# KiCad board sbc.kicad_pcb (continued)
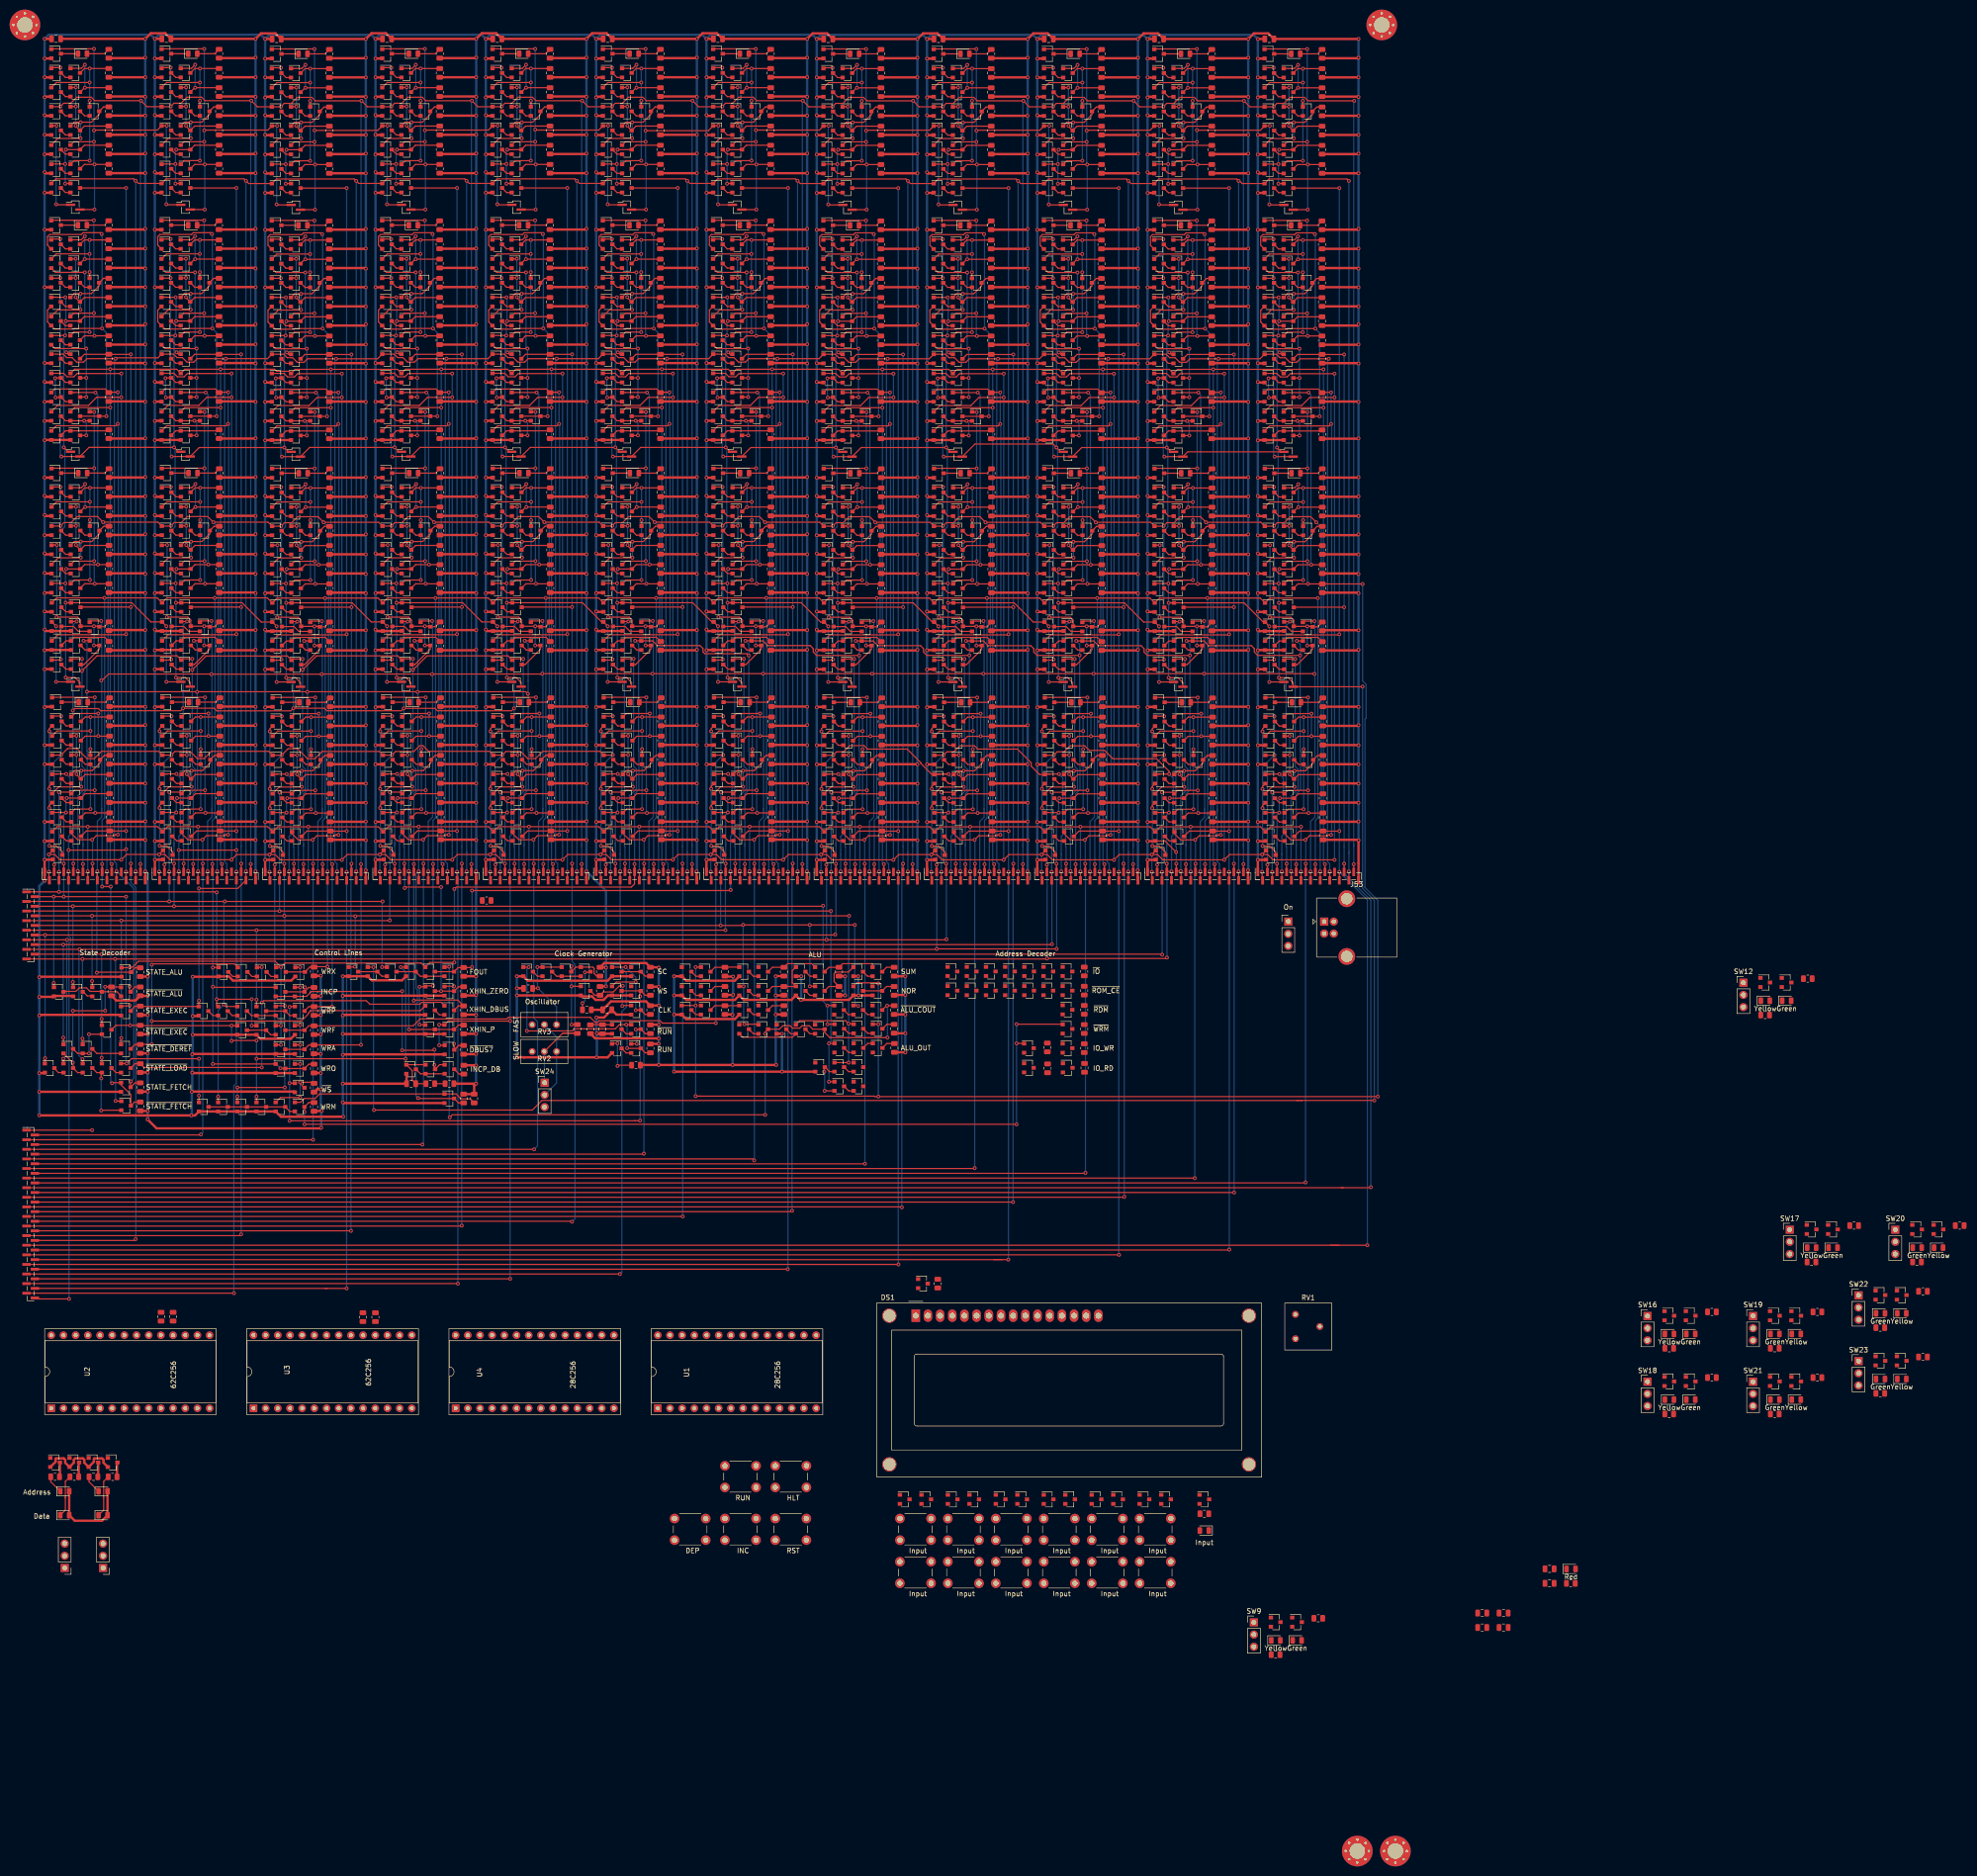
[diagram p0: board, top side]
## Routing (per net, layer and track width the routed paths; a pad name or vN(x,y) marks a point on that pad's centre or on a via; arc(x,y) is an arc through that point) (continued)
Net-(Q841-Pad2): length 2.4
  Top w0.25: Q841.2 192.48,334.12 Q843.3
Net-(Q842-Pad1): length 20.1
  Top w0.25: R352.2 200.44,327.98 Q844.3 199.53,326.42 197.91,324.79 195.66,324.79 ; v1(195.63,321.43) 195.59,321.39 190.9,321.39 Q842.1 ; 195.66,324.79 v1(195.63,324.77) ; 195.66,324.79 194.31,324.79 Q847.1
  Bottom w0.25: v1(195.63,324.77) v1(195.63,321.43)
Net-(Q844-Pad2): length 2.4
  Top w0.25: Q844.2 196.48,326.12 Q845.3
Net-(Q845-Pad2): length 2.4
  Top w0.25: Q845.2 192.48,326.12 Q846.3
Net-(Q847-Pad2): length 2.4
  Top w0.25: Q848.3 192.48,322.12 Q847.2
Net-(Q851-Pad1): length 39.6
  Top w0.25: R358.2 v1(197.72,236.49) 196.62,236.49 Q857.3 ; v1(197.71,233.58) 190.76,233.58 Q854.1 ; Q851.1 194.46,217.28 v1(197.71,217.28) ; v1(197.71,229.78) Q860.1
  Bottom w0.25: v1(197.71,217.28) v1(197.71,229.78) v1(197.71,233.58) 197.71,236.48 v1(197.72,236.49)
Net-(Q851-Pad2): length 2.4
  Top w0.25: Q853.3 192.66,214.63 Q851.2
Net-(Q852-Pad1): length 18
  Top w0.25: Q861.1 193.76,228.58 v1(194.81,228.58) ; v1(194.81,232.58) 194.76,232.53 Q852.1 ; v1(194.81,224.58) 194.81,224.48 Q863.3 196.62,224.49 R360.2
  Bottom w0.25: v1(194.81,224.58) v1(194.81,228.58) v1(194.81,232.58)
Net-(Q852-Pad2): length 2.4
  Top w0.25: Q854.3 192.66,230.63 Q852.2
Net-(Q852-Pad3): length 17.1
  Top w0.25: Q857.1 194.4,237.22 v1(199.34,237.22) ; 199.28,232.49 196.62,232.49 Q852.3 ; 199.28,232.49 199.31,232.52 v1(199.34,232.52) 199.32,232.51 199.32,232.49 ; 199.28,232.49 199.32,232.49 ; R355.2 199.32,232.49
  Bottom w0.25: v1(199.34,232.52) v1(199.34,237.22)
Net-(Q856-Pad2): length 2.4
  Top w0.25: Q856.2 192.66,218.63 Q858.3
Net-(Q857-Pad2): length 2.4
  Top w0.25: Q857.2 192.66,234.63 Q859.3
Net-(Q858-Pad1): length 20.1
  Top w0.25: v1(195.81,221.94) 195.77,221.9 191.09,221.9 Q858.1 ; 195.84,225.31 v1(195.81,225.28) ; 195.84,225.31 194.49,225.31 Q863.1 ; 195.84,225.31 198.09,225.31 199.71,226.93 Q860.3 200.62,228.49 R359.2
  Bottom w0.25: v1(195.81,225.28) v1(195.81,221.94)
Net-(Q860-Pad2): length 2.4
  Top w0.25: Q860.2 196.66,226.63 Q861.3
Net-(Q861-Pad2): length 2.4
  Top w0.25: Q861.2 192.66,226.63 Q862.3
Net-(Q863-Pad2): length 2.4
  Top w0.25: Q864.3 192.66,222.63 Q863.2
Net-(Q865-Pad2): length 2.4
  Top w0.25: Q865.2 215.7,210.67 Q866.3
Net-(Q867-Pad2): length 2.4
  Top w0.25: Q867.2 215.5,345.87 Q868.3
Net-(Q869-Pad1): length 39.6
  Top w0.25: v1(220.55,365.02) Q878.1 ; Q869.1 217.3,352.52 v1(220.55,352.52) ; Q875.3 219.46,371.73 v1(220.56,371.73) R367.2 ; Q872.1 213.6,368.82 v1(220.55,368.82)
  Bottom w0.25: v1(220.55,352.52) v1(220.55,365.02) v1(220.55,368.82) 220.55,371.72 v1(220.56,371.73)
Net-(Q869-Pad2): length 2.4
  Top w0.25: Q869.2 215.5,349.87 Q871.3
Net-(Q870-Pad1): length 18
  Top w0.25: v1(217.65,367.82) 217.6,367.77 Q870.1 ; R369.2 219.46,359.73 Q881.3 217.65,359.72 v1(217.65,359.82) ; v1(217.65,363.82) 216.6,363.82 Q879.1
  Bottom w0.25: v1(217.65,367.82) v1(217.65,363.82) v1(217.65,359.82)
Net-(Q870-Pad2): length 2.4
  Top w0.25: Q872.3 215.5,365.87 Q870.2
Net-(Q870-Pad3): length 14.5
  Top w0.25: v1(219.55,372.52) 218.8,371.77 Q875.1 ; R364.2 v1(219.56,367.73) 219.46,367.73 Q870.3
  Bottom w0.25: v1(219.55,372.52) 219.55,367.75 v1(219.56,367.73)
Net-(Q874-Pad2): length 2.4
  Top w0.25: Q874.2 215.5,353.87 Q876.3
Net-(Q875-Pad2): length 2.4
  Top w0.25: Q877.3 215.5,369.87 Q875.2
Net-(Q876-Pad1): length 20.1
  Top w0.25: v1(218.65,357.18) 218.61,357.14 213.92,357.14 Q876.1 ; 218.68,360.55 v1(218.65,360.52) ; 218.68,360.55 220.93,360.55 222.55,362.17 Q878.3 223.46,363.73 R368.2 ; 218.68,360.55 217.33,360.55 Q881.1
  Bottom w0.25: v1(218.65,360.52) v1(218.65,357.18)
Net-(Q878-Pad2): length 2.4
  Top w0.25: Q878.2 219.5,361.87 Q879.3
Net-(Q879-Pad2): length 2.4
  Top w0.25: Q880.3 215.5,361.87 Q879.2
Net-(Q881-Pad2): length 2.4
  Top w0.25: Q881.2 215.5,357.87 Q882.3
Net-(Q883-Pad2): length 2.3
  Top w0.25: Q888.3 219.6,250.47 Q883.2
Net-(Q884-Pad2): length 2.4
  Top w0.25: Q884.2 215.6,258.42 Q889.3
Net-(Q885-Pad2): length 2.4
  Top w0.25: Q885.2 215.6,246.47 Q890.3
Net-(Q886-Pad2): length 6.3
  Top w0.25: Q886.2 218.19,254.37 217.19,255.37 Q891.3
Net-(Q888-Pad1): length 11
  Top w0.25: R371.2 223.71,253.12 217.4,253.12 Q888.1 215.6,252.37 Q892.3
Net-(Q893-Pad1): length 39.6
  Top w0.25: v1(220.6,277.56) Q902.1 ; Q893.1 217.35,265.06 v1(220.6,265.06) ; Q899.3 219.51,284.27 v1(220.61,284.27) R376.2 ; v1(220.6,281.36) 213.65,281.36 Q896.1
  Bottom w0.25: v1(220.61,284.27) 220.6,284.26 v1(220.6,281.36) v1(220.6,277.56) v1(220.6,265.06)
Net-(Q893-Pad2): length 2.4
  Top w0.25: Q895.3 215.55,262.41 Q893.2
Net-(Q894-Pad1): length 18
  Top w0.25: v1(217.7,272.36) 217.7,272.26 Q905.3 219.51,272.27 R378.2 ; v1(217.7,276.36) 216.65,276.36 Q903.1 ; v1(217.7,280.36) 217.65,280.31 Q894.1
  Bottom w0.25: v1(217.7,280.36) v1(217.7,276.36) v1(217.7,272.36)
Net-(Q894-Pad2): length 2.4
  Top w0.25: Q894.2 215.55,278.41 Q896.3
Net-(Q894-Pad3): length 14.5
  Top w0.25: Q899.1 218.85,284.31 v1(219.6,285.06) ; R373.2 v1(219.61,280.27) 219.51,280.27 Q894.3
  Bottom w0.25: v1(219.6,285.06) 219.6,280.29 v1(219.61,280.27)
Net-(Q898-Pad2): length 2.4
  Top w0.25: Q898.2 215.55,266.41 Q900.3
Net-(Q899-Pad2): length 2.4
  Top w0.25: Q901.3 215.55,282.41 Q899.2
Net-(Q900-Pad1): length 20.1
  Top w0.25: 218.73,273.09 220.98,273.09 222.6,274.71 Q902.3 223.51,276.27 R377.2 ; 218.73,273.09 217.38,273.09 Q905.1 ; 218.73,273.09 v1(218.7,273.06) ; Q900.1 213.97,269.68 218.66,269.68 v1(218.7,269.72)
  Bottom w0.25: v1(218.7,273.06) v1(218.7,269.72)
Net-(Q902-Pad2): length 2.4
  Top w0.25: Q902.2 219.55,274.41 Q903.3
Net-(Q903-Pad2): length 2.4
  Top w0.25: Q903.2 215.55,274.41 Q904.3
Net-(Q905-Pad2): length 2.4
  Top w0.25: Q906.3 215.55,270.41 Q905.2
Net-(Q907-Pad2): length 2.4
  Top w0.25: Q907.2 215.5,310.27 Q908.3
Net-(Q909-Pad2): length 11.2
  Top w0.25: v1(213.45,303.12) 214.45,303.12 Q914.3 215.5,302.27 Q910.2 ; v1(213.37,307.14) 213.44,307.22 Q913.3 215.5,306.27 Q909.2
  Bottom w0.25: v1(213.37,307.14) 213.37,303.2 v1(213.45,303.12)
Net-(Q911-Pad2): length 10.9
  Top w0.25: Q912.2 v1(219.4,298.27) Q911.2 215.5,298.27 Q915.3 ; Q916.3 v1(219.85,295.22)
  Bottom w0.25: v1(219.4,298.27) 219.85,297.82 v1(219.85,295.22)
Net-(Q916-Pad1): length 10.5
  Top w0.25: Q917.3 215.5,296.17 Q916.1 224.34,296.17 R380.2
Net-(Q918-Pad1): length 39.6
  Top w0.25: R385.2 v1(220.54,335.98) 219.44,335.98 Q924.3 ; v1(220.53,333.07) 213.58,333.07 Q921.1 ; v1(220.53,329.27) Q927.1 ; Q918.1 217.28,316.77 v1(220.53,316.77)
  Bottom w0.25: v1(220.54,335.98) 220.53,335.97 v1(220.53,333.07) v1(220.53,329.27) v1(220.53,316.77)
Net-(Q918-Pad2): length 2.4
  Top w0.25: Q920.3 215.48,314.12 Q918.2
Net-(Q919-Pad1): length 18
  Top w0.25: R387.2 219.44,323.98 Q930.3 217.63,323.97 v1(217.63,324.07) ; v1(217.63,328.07) 216.58,328.07 Q928.1 ; Q919.1 217.58,332.02 v1(217.63,332.07)
  Bottom w0.25: v1(217.63,324.07) v1(217.63,328.07) v1(217.63,332.07)
Net-(Q919-Pad2): length 2.4
  Top w0.25: Q921.3 215.48,330.12 Q919.2
Net-(Q919-Pad3): length 14.5
  Top w0.25: R382.2 v1(219.54,331.98) 219.44,331.98 Q919.3 ; v1(219.53,336.77) 218.78,336.02 Q924.1
  Bottom w0.25: v1(219.54,331.98) 219.53,331.99 v1(219.53,336.77)
Net-(Q923-Pad2): length 2.4
  Top w0.25: Q923.2 215.48,318.12 Q925.3
Net-(Q924-Pad2): length 2.4
  Top w0.25: Q924.2 215.48,334.12 Q926.3
Net-(Q925-Pad1): length 20.1
  Top w0.25: Q925.1 213.9,321.39 218.59,321.39 v1(218.63,321.43) ; 218.66,324.79 220.9,324.79 222.53,326.42 Q927.3 223.44,327.98 R386.2 ; 218.66,324.79 217.31,324.79 Q930.1 ; 218.66,324.79 v1(218.63,324.77)
  Bottom w0.25: v1(218.63,324.77) v1(218.63,321.43)
Net-(Q927-Pad2): length 2.4
  Top w0.25: Q927.2 219.48,326.12 Q928.3
Net-(Q928-Pad2): length 2.4
  Top w0.25: Q929.3 215.48,326.12 Q928.2
Net-(Q930-Pad2): length 2.4
  Top w0.25: Q930.2 215.48,322.12 Q931.3
Net-(Q934-Pad1): length 39.6
  Top w0.25: v1(220.71,233.58) 213.76,233.58 Q937.1 ; v1(220.71,229.78) Q943.1 ; Q940.3 219.62,236.49 v1(220.72,236.49) R392.2 ; Q934.1 217.46,217.28 v1(220.71,217.28)
  Bottom w0.25: v1(220.71,217.28) v1(220.71,229.78) v1(220.71,233.58) 220.71,236.48 v1(220.72,236.49)
Net-(Q934-Pad2): length 2.4
  Top w0.25: Q934.2 215.66,214.63 Q936.3
Net-(Q935-Pad1): length 18
  Top w0.25: v1(217.81,232.58) 217.76,232.53 Q935.1 ; v1(217.81,228.58) 216.76,228.58 Q944.1 ; R394.2 219.62,224.49 Q946.3 217.81,224.48 v1(217.81,224.58)
  Bottom w0.25: v1(217.81,224.58) v1(217.81,228.58) v1(217.81,232.58)
Net-(Q935-Pad2): length 2.4
  Top w0.25: Q935.2 215.66,230.63 Q937.3
Net-(Q935-Pad3): length 17.1
  Top w0.25: R389.2 222.32,232.49 ; 222.32,232.49 222.32,232.51 v1(222.34,232.52) 222.31,232.52 222.28,232.49 ; 222.32,232.49 222.28,232.49 ; Q940.1 217.4,237.22 v1(222.34,237.22) ; Q935.3 219.62,232.49 222.28,232.49
  Bottom w0.25: v1(222.34,232.52) v1(222.34,237.22)
Net-(Q939-Pad2): length 2.4
  Top w0.25: Q939.2 215.66,218.63 Q941.3
Net-(Q940-Pad2): length 2.4
  Top w0.25: Q942.3 215.66,234.63 Q940.2
Net-(Q941-Pad1): length 20.1
  Top w0.25: v1(218.81,221.94) 218.77,221.9 214.09,221.9 Q941.1 ; R393.2 223.62,228.49 Q943.3 222.71,226.93 221.09,225.31 218.84,225.31 ; 218.84,225.31 217.49,225.31 Q946.1 ; 218.84,225.31 v1(218.81,225.28)
  Bottom w0.25: v1(218.81,225.28) v1(218.81,221.94)
Net-(Q943-Pad2): length 2.4
  Top w0.25: Q943.2 219.66,226.63 Q944.3
Net-(Q944-Pad2): length 2.4
  Top w0.25: Q945.3 215.66,226.63 Q944.2
Net-(Q946-Pad2): length 2.4
  Top w0.25: Q946.2 215.66,222.63 Q947.3
Net-(Q948-Pad2): length 2.4
  Top w0.25: Q948.2 238.7,210.67 Q949.3
Net-(Q950-Pad2): length 2.4
  Top w0.25: Q951.3 238.5,345.87 Q950.2
Net-(Q952-Pad1): length 39.6
  Top w0.25: v1(243.55,368.82) 236.6,368.82 Q955.1 ; Q952.1 240.3,352.52 v1(243.55,352.52) ; Q958.3 242.46,371.73 v1(243.56,371.73) R401.2 ; v1(243.55,365.02) Q961.1
  Bottom w0.25: v1(243.55,352.52) v1(243.55,365.02) v1(243.55,368.82) 243.55,371.72 v1(243.56,371.73)
Net-(Q952-Pad2): length 2.4
  Top w0.25: Q954.3 238.5,349.87 Q952.2
Net-(Q953-Pad1): length 18
  Top w0.25: Q953.1 240.6,367.77 v1(240.65,367.82) ; Q962.1 239.6,363.82 v1(240.65,363.82) ; R403.2 242.46,359.73 Q964.3 240.65,359.72 v1(240.65,359.82)
  Bottom w0.25: v1(240.65,367.82) v1(240.65,363.82) v1(240.65,359.82)
Net-(Q953-Pad2): length 2.4
  Top w0.25: Q953.2 238.5,365.87 Q955.3
Net-(Q953-Pad3): length 14.5
  Top w0.25: Q958.1 241.8,371.77 v1(242.55,372.52) ; Q953.3 242.46,367.73 v1(242.56,367.73) R398.2
  Bottom w0.25: v1(242.55,372.52) 242.55,367.75 v1(242.56,367.73)
Net-(Q957-Pad2): length 2.4
  Top w0.25: Q959.3 238.5,353.87 Q957.2
Net-(Q958-Pad2): length 2.4
  Top w0.25: Q958.2 238.5,369.87 Q960.3
Net-(Q959-Pad1): length 20.1
  Top w0.25: v1(241.65,357.18) 241.61,357.14 236.92,357.14 Q959.1 ; R402.2 246.46,363.73 Q961.3 245.55,362.17 243.93,360.55 241.68,360.55 ; 241.68,360.55 v1(241.65,360.52) ; 241.68,360.55 240.33,360.55 Q964.1
  Bottom w0.25: v1(241.65,360.52) v1(241.65,357.18)
Net-(Q961-Pad2): length 2.4
  Top w0.25: Q961.2 242.5,361.87 Q962.3
Net-(Q962-Pad2): length 2.4
  Top w0.25: Q962.2 238.5,361.87 Q963.3
Net-(Q964-Pad2): length 2.4
  Top w0.25: Q965.3 238.5,357.87 Q964.2
Net-(Q966-Pad2): length 2.3
  Top w0.25: Q966.2 242.6,250.47 Q971.3
Net-(Q967-Pad2): length 2.4
  Top w0.25: Q967.2 238.6,258.42 Q972.3
Net-(Q968-Pad2): length 2.4
  Top w0.25: Q968.2 238.6,246.47 Q973.3
Net-(Q969-Pad2): length 6.3
  Top w0.25: Q974.3 240.19,255.37 241.19,254.37 Q969.2
Net-(Q971-Pad1): length 11
  Top w0.25: Q975.3 238.6,252.37 Q971.1 240.4,253.12 246.71,253.12 R405.2
Net-(Q976-Pad1): length 39.6
  Top w0.25: Q982.3 242.51,284.27 v1(243.61,284.27) R410.2 ; v1(243.6,277.56) Q985.1 ; Q976.1 240.35,265.06 v1(243.6,265.06) ; Q979.1 236.65,281.36 v1(243.6,281.36)
  Bottom w0.25: v1(243.61,284.27) 243.6,284.26 v1(243.6,281.36) v1(243.6,277.56) v1(243.6,265.06)
Net-(Q976-Pad2): length 2.4
  Top w0.25: Q976.2 238.55,262.41 Q978.3
Net-(Q977-Pad1): length 18
  Top w0.25: Q986.1 239.65,276.36 v1(240.7,276.36) ; v1(240.7,272.36) 240.7,272.26 Q988.3 242.51,272.27 R412.2 ; Q977.1 240.65,280.31 v1(240.7,280.36)
  Bottom w0.25: v1(240.7,280.36) v1(240.7,276.36) v1(240.7,272.36)
Net-(Q977-Pad2): length 2.4
  Top w0.25: Q977.2 238.55,278.41 Q979.3
Net-(Q977-Pad3): length 14.5
  Top w0.25: v1(242.6,285.06) 241.85,284.31 Q982.1 ; Q977.3 242.51,280.27 v1(242.61,280.27) R407.2
  Bottom w0.25: v1(242.6,285.06) 242.6,280.29 v1(242.61,280.27)
Net-(Q981-Pad2): length 2.4
  Top w0.25: Q981.2 238.55,266.41 Q983.3
Net-(Q982-Pad2): length 2.4
  Top w0.25: Q984.3 238.55,282.41 Q982.2
Net-(Q983-Pad1): length 20.1
  Top w0.25: Q983.1 236.97,269.68 241.66,269.68 v1(241.7,269.72) ; 241.73,273.09 240.38,273.09 Q988.1 ; 241.73,273.09 v1(241.7,273.06) ; 241.73,273.09 243.98,273.09 245.6,274.71 Q985.3 246.51,276.27 R411.2
  Bottom w0.25: v1(241.7,273.06) v1(241.7,269.72)
Net-(Q985-Pad2): length 2.4
  Top w0.25: Q986.3 242.55,274.41 Q985.2
Net-(Q986-Pad2): length 2.4
  Top w0.25: Q987.3 238.55,274.41 Q986.2
Net-(Q988-Pad2): length 2.4
  Top w0.25: Q988.2 238.55,270.41 Q989.3
Net-(Q990-Pad2): length 2.4
  Top w0.25: Q991.3 238.5,310.27 Q990.2
Net-(Q992-Pad2): length 11.2
  Top w0.25: v1(236.45,303.12) 237.45,303.12 Q997.3 238.5,302.27 Q993.2 ; v1(236.37,307.14) 236.44,307.22 Q996.3 238.5,306.27 Q992.2
  Bottom w0.25: v1(236.37,307.14) 236.37,303.2 v1(236.45,303.12)
Net-(Q994-Pad2): length 10.9
  Top w0.25: Q995.2 v1(242.4,298.27) Q994.2 238.5,298.27 Q998.3 ; Q999.3 v1(242.85,295.22)
  Bottom w0.25: v1(242.4,298.27) 242.85,297.82 v1(242.85,295.22)
Net-(Q1000-Pad3): length 10.5
  Top w0.25: R414.2 247.34,296.17 Q999.1 238.5,296.17 Q1000.3
Net-(Q1001-Pad1): length 39.6
  Top w0.25: Q1004.1 236.58,333.07 v1(243.53,333.07) ; Q1001.1 240.28,316.77 v1(243.53,316.77) ; v1(243.53,329.27) Q1010.1 ; Q1007.3 242.44,335.98 v1(243.54,335.98) R419.2
  Bottom w0.25: v1(243.53,316.77) v1(243.53,329.27) v1(243.53,333.07) 243.53,335.97 v1(243.54,335.98)
Net-(Q1001-Pad2): length 2.4
  Top w0.25: Q1001.2 238.48,314.12 Q1003.3
Net-(Q1002-Pad1): length 18
  Top w0.25: v1(240.63,324.07) 240.63,323.97 Q1013.3 242.44,323.98 R421.2 ; Q1002.1 240.58,332.02 v1(240.63,332.07) ; v1(240.63,328.07) 239.58,328.07 Q1011.1
  Bottom w0.25: v1(240.63,324.07) v1(240.63,328.07) v1(240.63,332.07)
Net-(Q1002-Pad2): length 2.4
  Top w0.25: Q1004.3 238.48,330.12 Q1002.2
Net-(Q1002-Pad3): length 14.5
  Top w0.25: Q1002.3 242.44,331.98 v1(242.54,331.98) R416.2 ; v1(242.53,336.77) 241.78,336.02 Q1007.1
  Bottom w0.25: v1(242.53,336.77) 242.53,331.99 v1(242.54,331.98)
Net-(Q1006-Pad2): length 2.4
  Top w0.25: Q1008.3 238.48,318.12 Q1006.2
Net-(Q1007-Pad2): length 2.4
  Top w0.25: Q1007.2 238.48,334.12 Q1009.3
Net-(Q1008-Pad1): length 20.1
  Top w0.25: 241.66,324.79 240.31,324.79 Q1013.1 ; 241.66,324.79 v1(241.63,324.77) ; 241.66,324.79 243.9,324.79 245.53,326.42 Q1010.3 246.44,327.98 R420.2 ; v1(241.63,321.43) 241.59,321.39 236.9,321.39 Q1008.1
  Bottom w0.25: v1(241.63,324.77) v1(241.63,321.43)
Net-(Q1010-Pad2): length 2.4
  Top w0.25: Q1010.2 242.48,326.12 Q1011.3
Net-(Q1011-Pad2): length 2.4
  Top w0.25: Q1012.3 238.48,326.12 Q1011.2
Net-(Q1013-Pad2): length 2.4
  Top w0.25: Q1014.3 238.48,322.12 Q1013.2
Net-(Q1017-Pad1): length 39.6
  Top w0.25: R426.2 v1(243.72,236.49) 242.62,236.49 Q1023.3 ; v1(243.71,229.78) Q1026.1 ; Q1017.1 240.46,217.28 v1(243.71,217.28) ; v1(243.71,233.58) 236.76,233.58 Q1020.1
  Bottom w0.25: v1(243.71,217.28) v1(243.71,229.78) v1(243.71,233.58) 243.71,236.48 v1(243.72,236.49)
Net-(Q1017-Pad2): length 2.4
  Top w0.25: Q1017.2 238.66,214.63 Q1019.3
Net-(Q1018-Pad1): length 18
  Top w0.25: v1(240.81,224.58) 240.81,224.48 Q1029.3 242.62,224.49 R428.2 ; v1(240.81,228.58) 239.76,228.58 Q1027.1 ; v1(240.81,232.58) 240.76,232.53 Q1018.1
  Bottom w0.25: v1(240.81,224.58) v1(240.81,228.58) v1(240.81,232.58)
Net-(Q1018-Pad2): length 2.4
  Top w0.25: Q1020.3 238.66,230.63 Q1018.2
Net-(Q1018-Pad3): length 17.1
  Top w0.25: R423.2 245.32,232.49 ; 245.32,232.49 245.32,232.51 v1(245.34,232.52) 245.31,232.52 245.28,232.49 ; 245.32,232.49 245.28,232.49 ; v1(245.34,237.22) 240.4,237.22 Q1023.1 ; 245.28,232.49 242.62,232.49 Q1018.3
  Bottom w0.25: v1(245.34,232.52) v1(245.34,237.22)
Net-(Q1022-Pad2): length 2.4
  Top w0.25: Q1022.2 238.66,218.63 Q1024.3
Net-(Q1023-Pad2): length 2.4
  Top w0.25: Q1025.3 238.66,234.63 Q1023.2
Net-(Q1024-Pad1): length 20.1
  Top w0.25: 241.84,225.31 244.09,225.31 245.71,226.93 Q1026.3 246.62,228.49 R427.2 ; 241.84,225.31 240.49,225.31 Q1029.1 ; 241.84,225.31 v1(241.81,225.28) ; v1(241.81,221.94) 241.77,221.9 237.08,221.9 Q1024.1
  Bottom w0.25: v1(241.81,225.28) v1(241.81,221.94)
Net-(Q1026-Pad2): length 2.4
  Top w0.25: Q1026.2 242.66,226.63 Q1027.3
Net-(Q1027-Pad2): length 2.4
  Top w0.25: Q1027.2 238.66,226.63 Q1028.3
Net-(Q1029-Pad2): length 2.4
  Top w0.25: Q1030.3 238.66,222.63 Q1029.2
Net-(Q1031-Pad2): length 2.4
  Top w0.25: Q1031.2 261.7,210.67 Q1032.3
Net-(Q1033-Pad2): length 2.4
  Top w0.25: Q1034.3 261.5,345.87 Q1033.2
Net-(Q1035-Pad1): length 39.6
  Top w0.25: Q1035.1 263.3,352.52 v1(266.55,352.52) ; v1(266.55,365.02) Q1044.1 ; R435.2 v1(266.56,371.73) 265.46,371.73 Q1041.3 ; v1(266.55,368.82) 259.6,368.82 Q1038.1
  Bottom w0.25: v1(266.55,352.52) v1(266.55,365.02) v1(266.55,368.82) 266.55,371.72 v1(266.56,371.73)
Net-(Q1035-Pad2): length 2.4
  Top w0.25: Q1035.2 261.5,349.87 Q1037.3
Net-(Q1036-Pad1): length 18
  Top w0.25: v1(263.65,367.82) 263.6,367.77 Q1036.1 ; R437.2 265.46,359.73 Q1047.3 263.65,359.72 v1(263.65,359.82) ; v1(263.65,363.82) 262.6,363.82 Q1045.1
  Bottom w0.25: v1(263.65,367.82) v1(263.65,363.82) v1(263.65,359.82)
Net-(Q1036-Pad2): length 2.4
  Top w0.25: Q1036.2 261.5,365.87 Q1038.3
Net-(Q1036-Pad3): length 14.5
  Top w0.25: Q1041.1 264.8,371.77 v1(265.55,372.52) ; R432.2 v1(265.56,367.73) 265.46,367.73 Q1036.3
  Bottom w0.25: v1(265.55,372.52) 265.55,367.75 v1(265.56,367.73)
Net-(Q1040-Pad2): length 2.4
  Top w0.25: Q1040.2 261.5,353.87 Q1042.3
Net-(Q1041-Pad2): length 2.4
  Top w0.25: Q1041.2 261.5,369.87 Q1043.3
Net-(Q1042-Pad1): length 20.1
  Top w0.25: Q1042.1 259.92,357.14 264.61,357.14 v1(264.65,357.18) ; 264.68,360.55 v1(264.65,360.52) ; 264.68,360.55 266.93,360.55 268.55,362.17 Q1044.3 269.46,363.73 R436.2 ; 264.68,360.55 263.33,360.55 Q1047.1
  Bottom w0.25: v1(264.65,360.52) v1(264.65,357.18)
Net-(Q1044-Pad2): length 2.4
  Top w0.25: Q1044.2 265.5,361.87 Q1045.3
Net-(Q1045-Pad2): length 2.4
  Top w0.25: Q1045.2 261.5,361.87 Q1046.3
Net-(Q1047-Pad2): length 2.4
  Top w0.25: Q1048.3 261.5,357.87 Q1047.2
Net-(Q1049-Pad2): length 2.3
  Top w0.25: Q1049.2 265.6,250.47 Q1054.3
Net-(Q1050-Pad2): length 2.4
  Top w0.25: Q1055.3 261.6,258.42 Q1050.2
Net-(Q1051-Pad2): length 2.4
  Top w0.25: Q1051.2 261.6,246.47 Q1056.3
Net-(Q1052-Pad2): length 6.3
  Top w0.25: Q1057.3 263.19,255.37 264.19,254.37 Q1052.2
Net-(Q1054-Pad1): length 11
  Top w0.25: R439.2 269.71,253.12 263.4,253.12 Q1054.1 261.6,252.37 Q1058.3
Net-(Q1059-Pad1): length 39.6
  Top w0.25: R444.2 v1(266.61,284.27) 265.51,284.27 Q1065.3 ; v1(266.6,277.56) Q1068.1 ; v1(266.6,265.06) 263.35,265.06 Q1059.1 ; Q1062.1 259.65,281.36 v1(266.6,281.36)
  Bottom w0.25: v1(266.61,284.27) 266.6,284.26 v1(266.6,281.36) v1(266.6,277.56) v1(266.6,265.06)
Net-(Q1059-Pad2): length 2.4
  Top w0.25: Q1059.2 261.55,262.41 Q1061.3
Net-(Q1060-Pad1): length 18
  Top w0.25: Q1060.1 263.65,280.31 v1(263.7,280.36) ; Q1069.1 262.65,276.36 v1(263.7,276.36) ; v1(263.7,272.36) 263.7,272.26 Q1071.3 265.51,272.27 R446.2
  Bottom w0.25: v1(263.7,272.36) v1(263.7,276.36) v1(263.7,280.36)
Net-(Q1060-Pad2): length 2.4
  Top w0.25: Q1060.2 261.55,278.41 Q1062.3
Net-(Q1060-Pad3): length 14.5
  Top w0.25: v1(265.6,285.06) 264.85,284.31 Q1065.1 ; Q1060.3 265.51,280.27 v1(265.61,280.27) R441.2
  Bottom w0.25: v1(265.61,280.27) 265.6,280.29 v1(265.6,285.06)
Net-(Q1064-Pad2): length 2.4
  Top w0.25: Q1066.3 261.55,266.41 Q1064.2
Net-(Q1065-Pad2): length 2.4
  Top w0.25: Q1067.3 261.55,282.41 Q1065.2
Net-(Q1066-Pad1): length 20.1
  Top w0.25: 264.73,273.09 263.38,273.09 Q1071.1 ; 264.73,273.09 v1(264.7,273.06) ; 264.73,273.09 266.98,273.09 268.6,274.71 Q1068.3 269.51,276.27 R445.2 ; v1(264.7,269.72) 264.66,269.68 259.97,269.68 Q1066.1
  Bottom w0.25: v1(264.7,273.06) v1(264.7,269.72)
Net-(Q1068-Pad2): length 2.4
  Top w0.25: Q1068.2 265.55,274.41 Q1069.3
Net-(Q1069-Pad2): length 2.4
  Top w0.25: Q1069.2 261.55,274.41 Q1070.3
Net-(Q1071-Pad2): length 2.4
  Top w0.25: Q1071.2 261.55,270.41 Q1072.3
Net-(Q1073-Pad2): length 2.4
  Top w0.25: Q1073.2 261.5,310.27 Q1074.3
Net-(Q1075-Pad2): length 11.2
  Top w0.25: v1(259.37,307.14) 259.44,307.22 Q1079.3 261.5,306.27 Q1075.2 ; v1(259.45,303.12) 260.45,303.12 Q1080.3 261.5,302.27 Q1076.2
  Bottom w0.25: v1(259.45,303.12) 259.37,303.2 v1(259.37,307.14)
Net-(Q1077-Pad2): length 10.9
  Top w0.25: Q1081.3 261.5,298.27 Q1077.2 v1(265.4,298.27) Q1078.2 ; Q1082.3 v1(265.85,295.22)
  Bottom w0.25: v1(265.4,298.27) 265.85,297.82 v1(265.85,295.22)
Net-(Q1082-Pad1): length 10.5
  Top w0.25: R448.2 270.34,296.17 Q1082.1 261.5,296.17 Q1083.3
Net-(Q1084-Pad1): length 39.6
  Top w0.25: Q1090.3 265.44,335.98 v1(266.54,335.98) R453.2 ; Q1087.1 259.58,333.07 v1(266.53,333.07) ; v1(266.53,329.27) Q1093.1 ; Q1084.1 263.28,316.77 v1(266.53,316.77)
  Bottom w0.25: v1(266.53,316.77) v1(266.53,329.27) v1(266.53,333.07) 266.53,335.97 v1(266.54,335.98)
Net-(Q1084-Pad2): length 2.4
  Top w0.25: Q1084.2 261.48,314.12 Q1086.3
Net-(Q1085-Pad1): length 18
  Top w0.25: Q1094.1 262.58,328.07 v1(263.63,328.07) ; v1(263.63,324.07) 263.63,323.97 Q1096.3 265.44,323.98 R455.2 ; Q1085.1 263.58,332.02 v1(263.63,332.07)
  Bottom w0.25: v1(263.63,324.07) v1(263.63,328.07) v1(263.63,332.07)
Net-(Q1085-Pad2): length 2.4
  Top w0.25: Q1085.2 261.48,330.12 Q1087.3
Net-(Q1085-Pad3): length 14.5
  Top w0.25: Q1085.3 265.44,331.98 v1(265.54,331.98) R450.2 ; v1(265.53,336.77) 264.78,336.02 Q1090.1
  Bottom w0.25: v1(265.53,336.77) 265.53,331.99 v1(265.54,331.98)
Net-(Q1089-Pad2): length 2.4
  Top w0.25: Q1091.3 261.48,318.12 Q1089.2
Net-(Q1090-Pad2): length 2.4
  Top w0.25: Q1090.2 261.48,334.12 Q1092.3
Net-(Q1091-Pad1): length 20.1
  Top w0.25: Q1096.1 263.31,324.79 264.66,324.79 ; 264.66,324.79 266.9,324.79 268.53,326.42 Q1093.3 269.44,327.98 R454.2 ; 264.66,324.79 v1(264.63,324.77) ; Q1091.1 259.9,321.39 264.59,321.39 v1(264.63,321.43)
  Bottom w0.25: v1(264.63,324.77) v1(264.63,321.43)
Net-(Q1093-Pad2): length 2.4
  Top w0.25: Q1093.2 265.48,326.12 Q1094.3
Net-(Q1094-Pad2): length 2.4
  Top w0.25: Q1095.3 261.48,326.12 Q1094.2
Net-(Q1096-Pad2): length 2.4
  Top w0.25: Q1096.2 261.48,322.12 Q1097.3
Net-(Q1100-Pad1): length 39.6
  Top w0.25: R460.2 v1(266.72,236.49) 265.62,236.49 Q1106.3 ; v1(266.71,229.78) Q1109.1 ; Q1103.1 259.76,233.58 v1(266.71,233.58) ; Q1100.1 263.46,217.28 v1(266.71,217.28)
  Bottom w0.25: v1(266.72,236.49) 266.71,236.48 v1(266.71,233.58) v1(266.71,229.78) v1(266.71,217.28)
Net-(Q1100-Pad2): length 2.4
  Top w0.25: Q1100.2 261.66,214.63 Q1102.3
Net-(Q1101-Pad1): length 18
  Top w0.25: v1(263.81,232.58) 263.76,232.53 Q1101.1 ; v1(263.81,228.58) 262.76,228.58 Q1110.1 ; v1(263.81,224.58) 263.81,224.48 Q1112.3 265.62,224.49 R462.2
  Bottom w0.25: v1(263.81,224.58) v1(263.81,228.58) v1(263.81,232.58)
Net-(Q1101-Pad2): length 2.4
  Top w0.25: Q1103.3 261.66,230.63 Q1101.2
Net-(Q1101-Pad3): length 17.1
  Top w0.25: R457.2 268.32,232.49 ; 268.32,232.49 268.32,232.51 v1(268.34,232.52) 268.31,232.52 268.28,232.49 ; 268.32,232.49 268.28,232.49 ; Q1101.3 265.62,232.49 268.28,232.49 ; v1(268.34,237.22) 263.4,237.22 Q1106.1
  Bottom w0.25: v1(268.34,232.52) v1(268.34,237.22)
Net-(Q1105-Pad2): length 2.4
  Top w0.25: Q1107.3 261.66,218.63 Q1105.2
Net-(Q1106-Pad2): length 2.4
  Top w0.25: Q1106.2 261.66,234.63 Q1108.3
Net-(Q1107-Pad1): length 20.1
  Top w0.25: v1(264.81,221.94) 264.77,221.9 260.08,221.9 Q1107.1 ; 264.84,225.31 267.09,225.31 268.71,226.93 Q1109.3 269.62,228.49 R461.2 ; 264.84,225.31 263.49,225.31 Q1112.1 ; 264.84,225.31 v1(264.81,225.28)
  Bottom w0.25: v1(264.81,225.28) v1(264.81,221.94)
Net-(Q1109-Pad2): length 2.4
  Top w0.25: Q1110.3 265.66,226.63 Q1109.2
Net-(Q1110-Pad2): length 2.4
  Top w0.25: Q1110.2 261.66,226.63 Q1111.3
Net-(Q1112-Pad2): length 2.4
  Top w0.25: Q1113.3 261.66,222.63 Q1112.2
Net-(Q1119-Pad3): length 3
  Top w0.5: Q1119.3 7.3,78.14 R466.2
Net-(Q1120-Pad3): length 3
  Top w0.5: R468.2 11.21,80.96 Q1120.3
Net-(Q1121-Pad3): length 3
  Top w0.5: Q1121.3 15.29,78.13 R474.2
Net-(Q1122-Pad3): length 3
  Top w0.5: R475.2 19.2,80.96 Q1122.3

## Text on the board
F.SilkS: Address | Data | State Decoder | STATE_ALU | ~{STATE_ALU} | STATE_EXEC | ~{STATE_EXEC} | ~{STATE_LOAD} | ~{STATE_DEREF} | STATE_FETCH | ~{STATE_FETCH} | ~{WS} | WRX | ~{WRP} | WRF | WRA | WRO | WRM | INCP | Control Lines | FOUT | ~{DBUS7} | XHIN_P | INCP_DB | XHIN_ZERO | XHIN_DBUS | Oscillator | Clock Generator | SC | WS | CLK | ~{RUN} | RUN | ALU | SUM | NOR | ALU_OUT | ~{ALU_COUT} | Address Decoder | ~{IO} | ~{RDM} | ~{WRM} | IO_RD | IO_WR | ~{ROM_CE} | Input | FAST | SLOW
